# Altium PCB Gateway_V2.0_Final_PCB.PcbDoc
Units mm, origin at the board's own origin, x right, y up, seen from the top; angles counter-clockwise.
Board outline 79.5 x 79.5 mm, 2 copper layers (Top Layer, Bottom Layer); 74 components, 102 nets, 326 pads, 94 vias.
Unrouted connection lines stored in the file: 8.
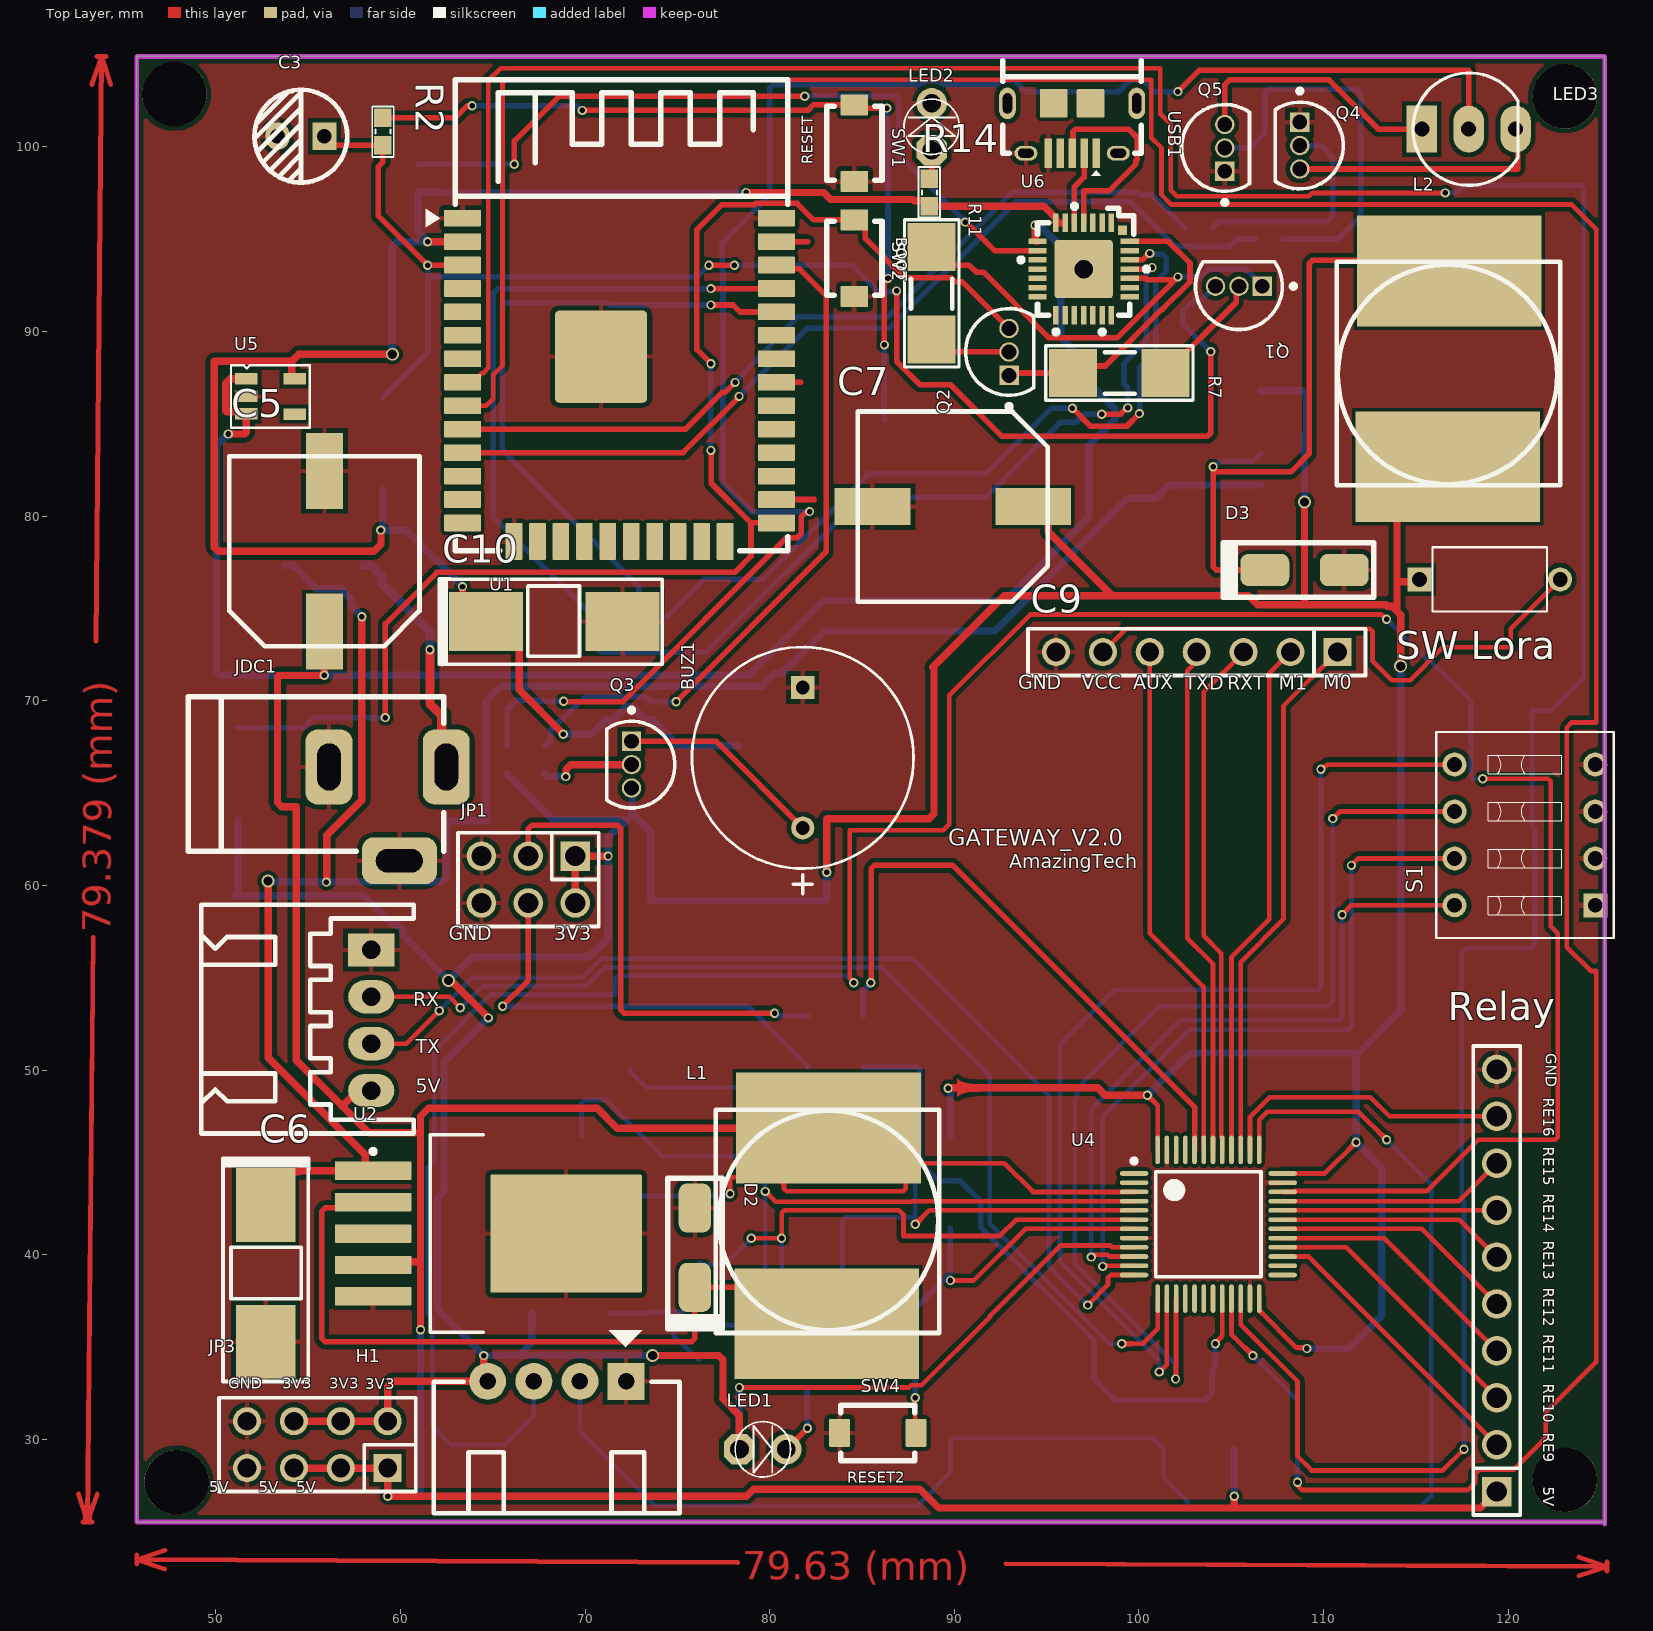
[diagram p0: Top Layer view]
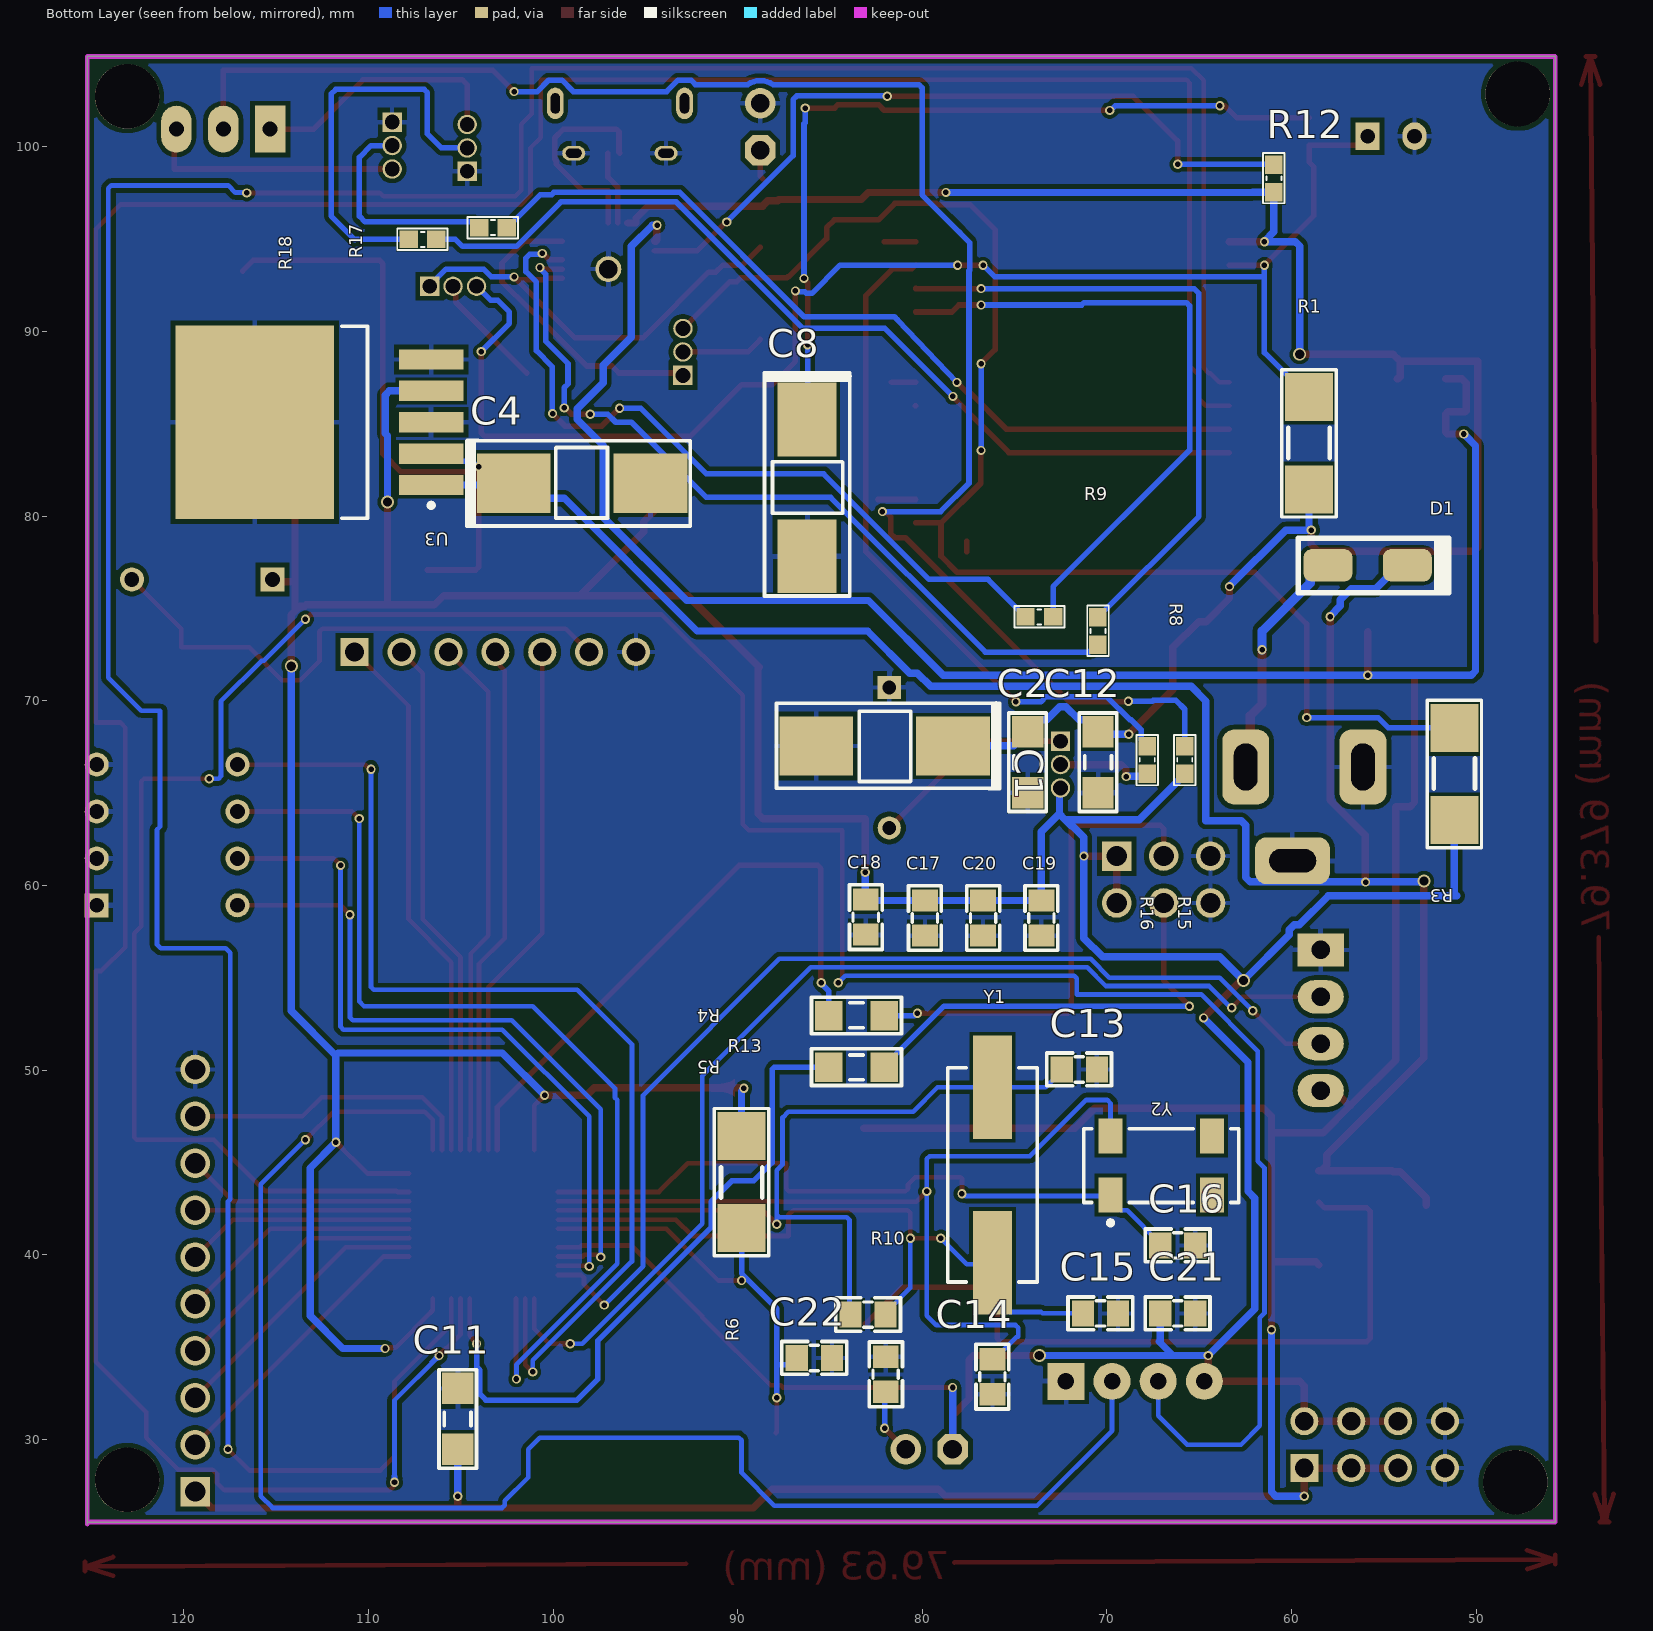
[diagram p1: Bottom Layer view, seen from below]
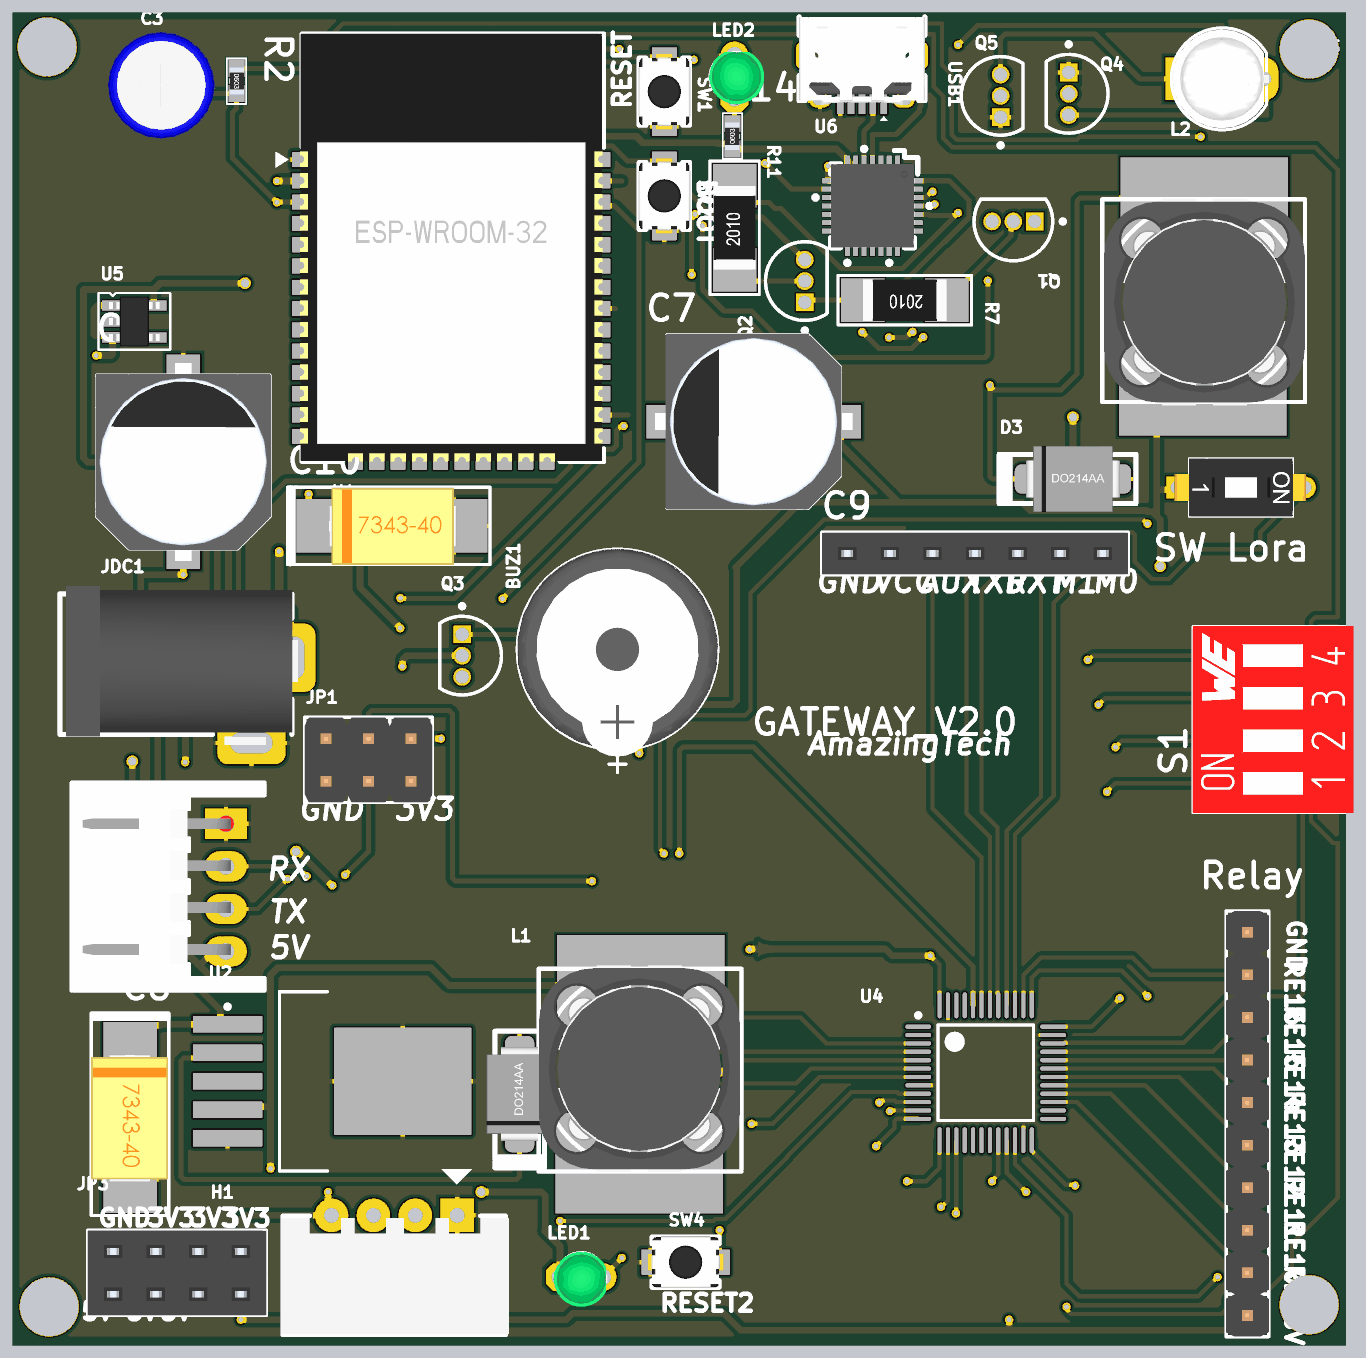
[diagram p2: 3D render of the assembled board from above, using the file's embedded part models]
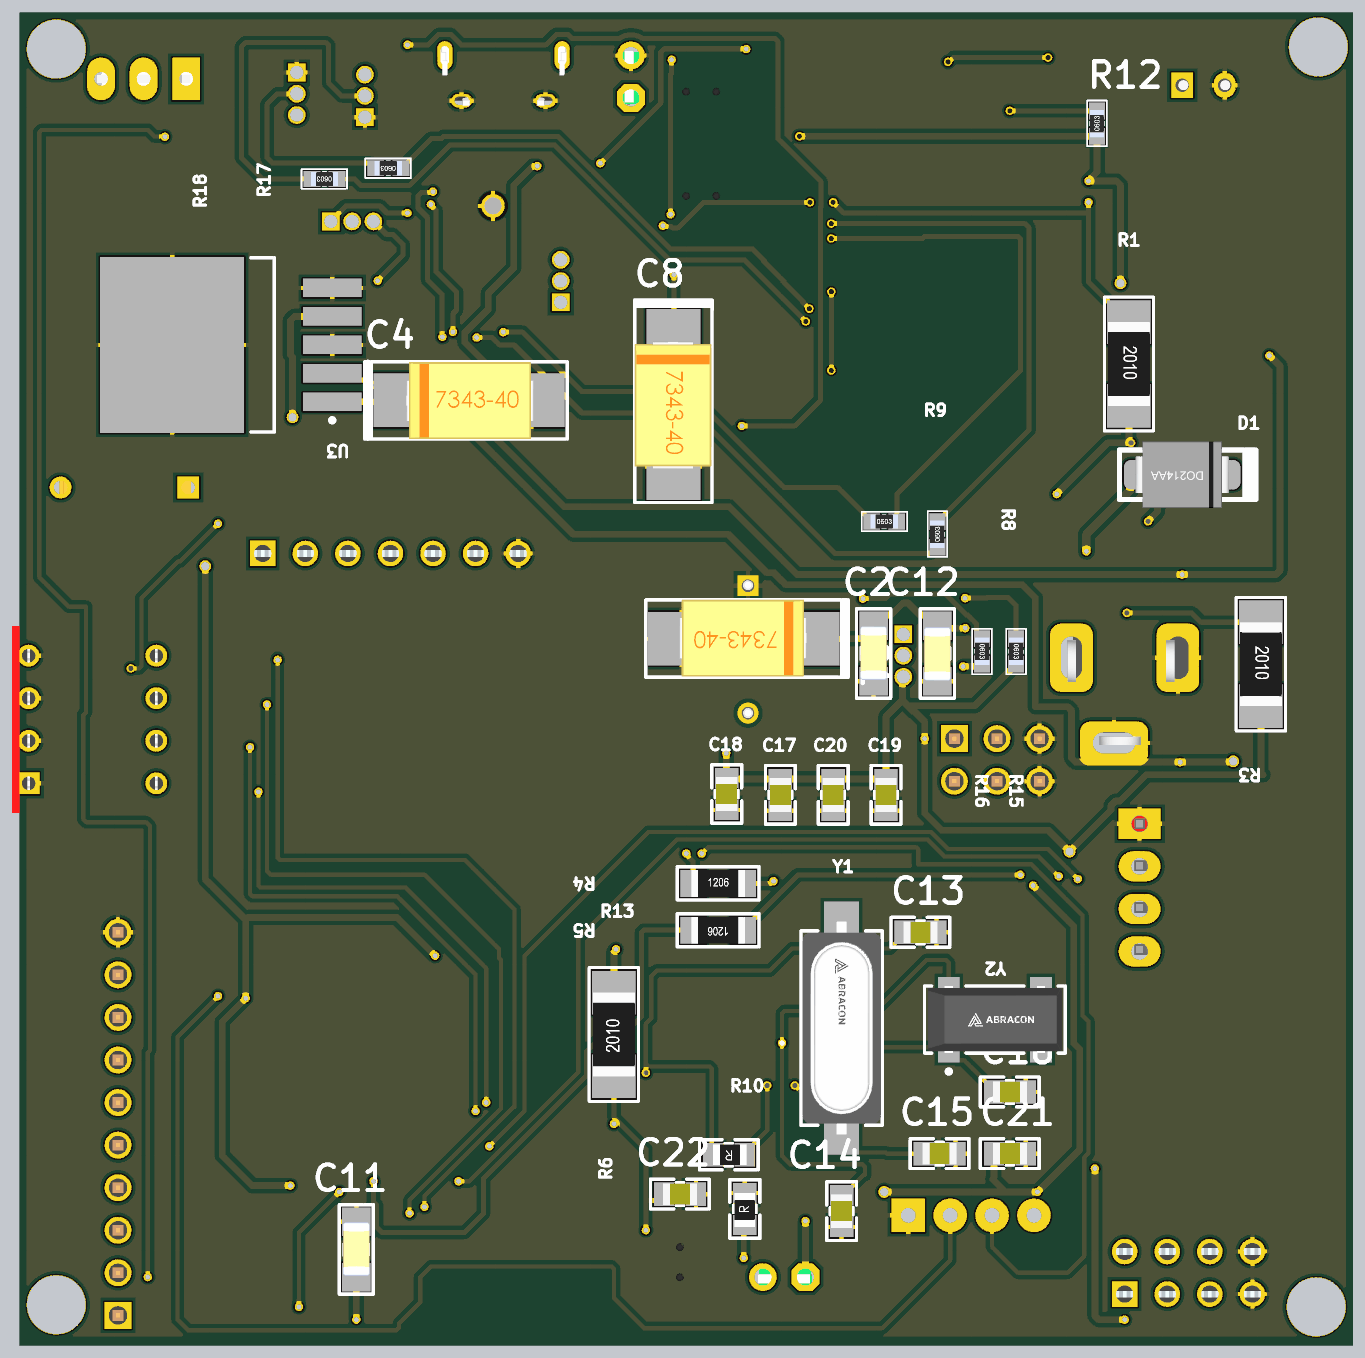
[diagram p3: 3D render of the assembled board from below, using the file's embedded part models]

## Layer stack, top to bottom
Top Solder: solder mask 0.0102, Solder Resist, Dk 3.5
Top Layer: signal copper 0.0356
Dielectric 1: dielectric 0.32, FR-4, Dk 4.8
Bottom Layer: signal copper 0.0356
Bottom Solder: solder mask 0.0102, Solder Resist, Dk 3.5

## Board outline
45.72,25.527 45.72,104.902 125.222,104.902 125.222,25.4 125.222,25.527

## Design rules (kind name [scope] priority, off if disabled: settings)
Clearance Clearance_1 [All] p1: gap=0.254 ignorepadtopadclearanceinfootprint=TRUE except(0.2: Arc-Arc Arc-Track Arc-SMDPad Arc-Hole Track-Track Track-SMDPad SMDPad-SMDPad SMDPad-THPad SMDPad-Via SMDPad-Fill SMDPad-Poly SMDPad-Region SMDPad-Text SMDPad-Hole Via-Via Via-Fill Via-Poly Via-Region Via-Text Via-Hole Region-Region Region-Text Region-Hole)
Clearance [All] p2: gap=0.254 ignorepadtopadclearanceinfootprint=FALSE except(0.2: Arc-Arc Arc-Track Arc-SMDPad Track-Track Track-SMDPad SMDPad-SMDPad SMDPad-THPad SMDPad-Via SMDPad-Fill SMDPad-Poly SMDPad-Region SMDPad-Text SMDPad-Hole)
PolygonConnect [All] p1: connectstyle=Relief reliefconductorwidth=0.254 reliefentries=4 polygonreliefangle="90 Angle" airgapwidth=0.254
RoutingVias [All] p1: holewidth=0.711 width=1.27 viastyle="Through Hole" minholewidth=0.711 minwidth=1.27 maxholewidth=0.711 maxwidth=1.27
SolderMaskExpansion [All] p1: expansion=0.102 istentingtop=FALSE
Width STM [InNetClass('STM')] p1: maxlimit=0.254 minlimit=0.254 preferedwidth=0.254
Width POWER [InNetClass('POWER')] p2: maxlimit=0.4 minlimit=0.254 preferedwidth=0.4 minimp=50.000000 maximp=50.000000 favimp=50.000000
Width SIGNAL [InNetClass('SIGNAL')] p3: maxlimit=0.4 minlimit=0.3 preferedwidth=0.3 minimp=50.000000 maximp=50.000000 favimp=50.000000
30 further rules are at their usual default settings.

## Components (designator, comment, footprint, x,y, rotation, side; value= is the part's Value field where it differs from the comment)
BUZ1 "Buzzer 12095" FP-MCKPX-G1203A-K4056-MFG 81.788,66.919 r270 top
C1 "22uF" "tu tantalum smd7343" 82.042,67.564 r0 bottom
C2 "0.1uF" "tu 1206" 74.295,66.675 r90 bottom
C3 "4.7uF" "tu hoa 5mm" 54.61,100.584 r180 top
C4 "100uF" "tu tantalum smd7343" 98.425,81.788 r180 bottom
C5 "1000uF" "tu nhom 10 (G)" 55.88,78.105 r90 top
C6 "100uF" "tu tantalum smd7343" 52.705,38.989 r270 top
C7 "1000uF" "tu nhom 10 (G)" 89.916,80.518 r180 top
C8 "10uF" "tu tantalum smd7343" 86.233,81.534 r270 bottom
C9 "JP7" JP7-C1T 110.744,72.644 r180 top
C10 "10uF" "tu tantalum smd7343" 68.326,74.295 r0 top
C11 "0.1uF" "tu 1206" 105.156,31.115 r90 bottom
C12 "0.1uF" "tu 1206" 70.485,66.675 r270 bottom
C13 "20pF" "tu 0805" 71.501,50.038 r180 bottom
C14 "20pF" "tu 0805" 76.2,33.401 r270 bottom
C15 "20pF" "tu 0805" 70.358,36.83 r180 bottom
C16 "20pF" "tu 0805" 66.167,40.513 r180 bottom
C17 "100nF" "tu 0805" 79.854,58.243 r270 bottom
C18 "100nF" "tu 0805" 83.058,58.293 r270 bottom
C19 "100nF" "tu 0805" 73.55,58.243 r270 bottom
C20 "100nF" "tu 0805" 76.702,58.243 r270 bottom
C21 "20pF" "tu 0805" 66.167,36.83 r180 bottom
C22 "20pF" "tu 0805" 85.852,34.417 r180 bottom
D1 "SS34" SS14 55.88,77.343 r180 bottom
D2 "SS34" SS14 75.946,40.386 r270 top
D3 "SS34" SS14 108.966,77.089 r180 top
H1 "SWD" "Header 4P DC 2.54" 72.198,33.122 r270 top
JDC1 "Jac DC 12V" DC-IN 59.309,63.881 r0 top value="Jac DC"
JP1 "JP 2x3 2.54" "JP 2x3 DT" 66.929,60.325 r180 top
JP3 "JP 2x4 2.54" "JP 2x4 CT" 55.499,29.718 r180 top
L1 "100uH - 3A SMD" "Cuon Cam 12x12x10" 89.185,47.863 r180 top
L2 "100uH - 3A SMD" "Cuon Cam 12x12x10" 110.713,81.677 r0 top
LED1 "LED 3mm" LED-3MM-GREEN 78.359,29.464 r0 top
LED2 "LED 3mm" LED-3MM-GREEN 88.773,99.822 r90 top
LED3 "LED 5mm" "LED-5MM 2 MAU" 115.316,100.965 r0 top
Q1 "2N3904" ONSC-TO-92-3-29-11 105.41,92.456 r180 top
Q2 "2N3904" ONSC-TO-92-3-29-11 92.964,88.9 r90 top
Q3 "2N3904" ONSC-TO-92-3-29-11 72.517,66.548 r270 top
Q4 "2N3904" ONSC-TO-92-3-29-11 108.712,100.076 r270 top
Q5 "2N3904" ONSC-TO-92-3-29-11 104.648,99.949 r90 top
R1 "10k" "tro smd 2010" 59.055,83.947 r270 bottom
R2 "0R" "tro smd 0603" 59.055,100.838 r270 top
R3 "10k" "tro smd 2010" 51.181,66.04 r270 bottom
R4 "100k" "tro smd 1206" 83.566,52.959 r180 bottom
R5 "100k" "tro smd 1206" 83.566,50.165 r0 bottom
R6 "1M" "tro smd 0805" 82.931,36.703 r0 bottom
R7 "10k" "tro smd 2010" 98.933,87.757 r180 top
R8 "1k" "tro smd 0603" 73.66,74.549 r180 bottom
R9 "1k" "tro smd 0603" 70.485,73.787 r90 bottom
R10 "1M" "tro smd 0805" 82.042,33.528 r90 bottom
R11 "10k" "tro smd 2010" 88.773,92.075 r90 top
R12 "4.7k" "tro smd 0603" 60.96,98.298 r90 bottom
R13 "10k" "tro smd 2010" 89.789,43.942 r90 bottom
R14 "1k" "tro smd 0603" 88.646,97.536 r90 top
R15 "220R" "tro smd 0603" 65.786,66.802 r270 bottom
R16 "220R" "tro smd 0603" 67.818,66.802 r270 bottom
R17 "220R" "tro smd 0603" 103.251,95.631 r0 bottom
R18 "220R" "tro smd 0603" 107.061,94.996 r0 bottom
Relay "JP 1x10 2.54" "JP 1x10 DT" 119.38,27.178 r90 top (schematic designator JP2)
S1 "" SW-DIP4 120.904,62.738 r90 top
SW1 "RST" "Button 3x4mm" 84.582,100.203 r90 top
SW2 "FLASH" "Button 3x4mm" 84.582,93.98 r270 top
SW4 "FLASH" "Button 3x4mm" 85.852,30.353 r0 top
"SW Lora" "SW" SW-DIP1 118.999,76.581 r270 top value="SW chip 2 pin" (schematic designator SW3)
U1 "ESP-WROOM-32" "ESP32 WROOM" 63.366,96.146 r0 top
U2 "LM2576S-5.0" KTT0005B_N 64.77,41.148 r0 top
U3 "LM2576S-3.3" TS5B_M 112.649,85.09 r0 bottom
U4 "STM32F103C8T6" STM-LQFP48_L 103.759,41.656 r0 top
U5 "RT9193-33GB" SOT23-5 52.959,86.487 r270 top
U6 "CP2102-QFN28" CP2102-QFN28 97.004,93.385 r180 top
USB1 "USB_Micro" "USB_MICRO_B - Digikey" 97.677,99.662 r180 top
XH1 "XH4" XH4/2.54mm/90 58.42,56.515 r270 top
Y1 "ABLS2-8.000MHZ-D4Y-T" FP-ABLS2-MFG 76.2,44.323 r270 bottom
Y2 "ABS25-32.768KHZ-T" FP-ABS25-MFG 67.056,44.831 r180 bottom

## Footprints (in the part's own frame and the unit in brackets; to place one, negate y for a bottom-side part, rotate by r counter-clockwise, add the part's x,y. Pads: shape width x height; smd on the part's side, far side on the other; paste and mask are expansions set on the pad)
"Button 3x4mm" [mm] "SMD 3x4mm"
  rrect10% 1.143x1.5 smd: 1(-2.075,0) 2(2.075,0)
  silkscreen extent -2,-1.5 2,1.5, body extent -2.25,-1.55 2.25,1.55, height 2.05
CP2102-QFN28 [mm] "QFN28 5x5 pitch 0.5"
  rrect10% 0.3x1 smd mask+0.05: 1(-1.5,-2.5) 2(-1,-2.5) 3(-0.5,-2.5) 4(0,-2.5) 5(0.5,-2.5) 6(1,-2.5) 7(1.5,-2.5) 15(1.5,2.5) 16(1,2.5) 17(0.5,2.5) 18(0,2.5) 19(-0.5,2.5) 20(-1,2.5) 21(-1.5,2.5)
  rrect10% 1x0.3 smd mask+0.05: 8(2.5,-1.5) 9(2.5,-1) 10(2.5,-0.5) 11(2.5,0) 12(2.5,0.5) 13(2.5,1) 14(2.5,1.5) 22(-2.5,1.5) 23(-2.5,1) 24(-2.5,0.5) 25(-2.5,0) 26(-2.5,-0.5) 27(-2.5,-1) 28(-2.5,-1.5)
  rrect10% 3.15x3.15 smd mask+0.05: 29(0,0)
  round 1.4 hole 1 mask+0.2: 29(0,0)
  rrect10% 0.5x0.5 smd mask+0.05: ""(-2.1,-2.1)
  silkscreen extent -3.5,-3.5 3.5,3.5, body extent -2.5,-2.5 2.5,2.5, height 1
"Cuon Cam 12x12x10" [mm] "Cuon Cam 12x12x10"
  rect 10x6 smd: 1(6.1,11.6) 2(6,1)
  silkscreen extent 0,0 12.1,12.1, body extent 0.1,-0.2 12.1,12.14, height 7.51
DC-IN [mil] "Jac DC input"
  rrect50% 100x160 hole 50 slot 100 at 90 deg: 1(125,100) 2(-125,100)
  rrect50% 160x100 hole 50 slot 100 at 0 deg: 3(25,-100)
  silkscreen extent -425,-80 120,250, body extent -410,-105 134,269, height 434
"ESP32 WROOM" [mm] "ESP32 WROOM"
  rrect10% 2x0.9 smd: 1(0,0) 2(0,-1.27) 3(0,-2.54) 4(0,-3.81) 5(0,-5.08) 6(0,-6.35) 7(0,-7.62) 8(0,-8.89) 9(0,-10.16) 10(0,-11.43) 11(0,-12.7) 12(0,-13.97) 13(0,-15.24) 14(0,-16.51) 25(17,-16.51) 26(17,-15.24) 27(17,-13.97) 28(17,-12.7) 29(17,-11.43) 30(17,-10.16) 31(17,-8.89) 32(17,-7.62) 33(17,-6.35) 34(17,-5.08) 35(17,-3.81) 36(17,-2.54) 37(17,-1.27) 38(17,0)
  rrect10% 0.9x2 smd: 15(2.785,-17.51) 16(4.055,-17.51) 17(5.325,-17.51) 18(6.595,-17.51) 19(7.865,-17.51) 20(9.135,-17.51) 21(10.405,-17.51) 22(11.675,-17.51) 23(12.945,-17.51) 24(14.215,-17.51)
  rrect10% 5x5 smd: 39(7.5,-7.5)
  silkscreen extent -2,-18.02 17.6,7.49, body extent -0.54,-18.02 17.54,7.52, height 3
FP-ABLS2-MFG [mm]
  rect 5.6x2.1 smd paste+0 mask+0: 1(-4.75,0) 2(4.75,0)
  silkscreen extent -5.8,-2.42 5.8,2.42, body extent -6.35,-2.35 6.35,2.35, height 3.3
FP-ABS25-MFG [mm]
  rect 1.3x1.9 smd paste+0 mask+0: 1(-2.75,-1.6) 2(2.75,-1.6) 3(2.75,1.6) 4(-2.75,1.6)
  silkscreen extent -4.2,-3.22 4.2,2, body extent -4,-2 4,2, height 2.76
FP-MCKPX-G1203A-K4056-MFG [mm]
  rect 1.25x1.25 hole 0.75 paste-2539.97 mask+0: 1(-3.8,0)
  round 1.25 hole 0.75 paste-2539.97 mask+0: 2(3.8,0)
  silkscreen extent -6,-6 7.35,6, body extent -6.1,-6.1 6.1,6.1, height 0.25
"Header 4P DC 2.54" [mil]
  rect 78.74x78.74 hole 35: 1(-1,1)
  round 78.74 hole 35: 2(-1,-97.43) 3(-1,-195.85) 4(-1,-294.28)
  silkscreen extent -110,-409 280,115, body extent 5,-413 278,123, height 290
JP7-C1T [mm] "7 row, straight, gold plating"
  rect 1.52x1.52 hole 1.02: 1(0,0)
  round 1.52 hole 1.02: 2(2.54,0) 3(5.08,0) 4(7.62,0) 5(10.16,0) 6(12.7,0) 7(15.24,0)
  silkscreen extent -1.52,-1.27 16.76,1.27, body extent -1.52,-1.25 16.76,1.25, height 8.51
"JP 1x10 DT" [mm] "10 pins, 1 row, straight, gold plating"
  rect 1.6x1.6 hole 1.1: 1(0,0)
  round 1.6 hole 1.1: 2(2.54,0) 3(5.08,0) 4(7.62,0) 5(10.16,0) 6(12.7,0) 7(15.24,0) 8(17.78,0) 9(20.32,0) 10(22.86,0)
  silkscreen extent -1.27,-1.27 24.13,1.27, body extent -1.27,-1.27 24.13,1.27, height 8.54
"JP 2x3 DT" [mm]
  rect 1.6x1.6 hole 1.1: 1(-2.54,-1.27)
  round 1.6 hole 1.1: 2(0,-1.27) 3(2.54,-1.27) 4(2.54,1.27) 5(0,1.27) 6(-2.54,1.27)
  silkscreen extent -3.81,-2.54 3.81,2.54, body extent -3.81,-2.54 3.81,2.54, height 8.55
"JP 2x4 CT" [mm] "8 pins, dual row, straight, gold plating"
  rect 1.52x1.52 hole 1.02: 1(-3.81,1.27)
  round 1.52 hole 1.02: 2(-1.27,1.27) 3(1.27,1.27) 4(3.81,1.27) 5(3.81,-1.27) 6(1.27,-1.27) 7(-1.27,-1.27) 8(-3.81,-1.27)
  silkscreen extent -5.33,-2.54 5.33,2.54, body extent -5.33,-2.54 5.33,2.54, height 8.51
KTT0005B_N [mm] "DPAK, 5-Leads, Body 10.65x9.65mm, Pitch 1.7mm, IPC Medium Density"
  rrect10% 4.15x1 smd: 1(-6.25,3.4) 2(-6.25,1.7) 3(-6.25,0) 4(-6.25,-1.7) 5(-6.25,-3.4)
  rrect2% 8.2x6.4 smd: 6(4.2,0)
  silkscreen extent -6.37,-5.35 -0.3,5.35, body extent -3.15,-5.32 6.5,5.33, height 4.83
LED-3MM-GREEN [mil]
  oct 65x65 hole 40: 1(0,0)
  round 65 hole 40: 2(100,0)
  silkscreen extent -9,-59 109,59, body extent -15,-70 112,60, height 182
"LED-5MM 2 MAU" [mil] "LED 3 PIN, 5 ly , Two colour"
  rect 65x100 hole 32: 1(0,0)
  oval 65x100 hole 32: 2(100,0) 3(200,0)
  silkscreen extent -19,-120 205,120, body extent -16,-116 210,116, height 427
ONSC-TO-92-3-29-11 [mm] "TO, 3-Leads, Body Dia 4.7mm, Pitch 1.27mm"
  rect 1.05x1.05 hole 0.8: 1(-1.27,0)
  round 1.05 hole 0.8: 2(0,0) 3(1.27,0)
  silkscreen extent -3.08,-1.34 2.35,2.35, body extent -2.35,-1.33 2.36,2.36, height 7.87
SOT23-5 [mm] "CASE: SOT"
  rect 0.62x1.22 smd mask+0.076: 1(-0.953,-1.31) 2(-0.003,-1.31) 3(0.947,-1.31) 4(0.952,1.31) 5(-0.953,1.31)
  silkscreen extent -1.69,-2.14 1.69,2.14, body extent -1.5,-1.5 1.5,1.5, height 1.41
SS14 [mm] "Diode SMD"
  rrect50% 2.65x1.75 smd: 1(-2.15,0) 2(2.15,0)
  silkscreen extent -3.75,-1.48 4.4,1.48, body extent -2.79,-1.97 2.79,1.97, height 2.6
STM-LQFP48_L [mm] "QFP, 48-Leads, Body 7x7mm, Pitch 0.5mm, IPC High Density"
  oval 1.55x0.25 smd: 1(-4.025,2.75) 2(-4.025,2.25) 3(-4.025,1.75) 4(-4.025,1.25) 5(-4.025,0.75) 6(-4.025,0.25) 7(-4.025,-0.25) 8(-4.025,-0.75) 9(-4.025,-1.25) 10(-4.025,-1.75) 11(-4.025,-2.25) 12(-4.025,-2.75) 25(4.025,-2.75) 26(4.025,-2.25) 27(4.025,-1.75) 28(4.025,-1.25) 29(4.025,-0.75) 30(4.025,-0.25) 31(4.025,0.25) 32(4.025,0.75) 33(4.025,1.25) 34(4.025,1.75) 35(4.025,2.25) 36(4.025,2.75)
  oval 0.25x1.55 smd: 13(-2.75,-4.025) 14(-2.25,-4.025) 15(-1.75,-4.025) 16(-1.25,-4.025) 17(-0.75,-4.025) 18(-0.25,-4.025) 19(0.25,-4.025) 20(0.75,-4.025) 21(1.25,-4.025) 22(1.75,-4.025) 23(2.25,-4.025) 24(2.75,-4.025) 37(2.75,4.025) 38(2.25,4.025) 39(1.75,4.025) 40(1.25,4.025) 41(0.75,4.025) 42(0.25,4.025) 43(-0.25,4.025) 44(-0.75,4.025) 45(-1.25,4.025) 46(-1.75,4.025) 47(-2.25,4.025) 48(-2.75,4.025)
  silkscreen extent -4.15,-2.85 2.85,3.55, body extent -3.5,-3.5 3.5,3.5, height 1.6
SW-DIP1 [mm]
  rect 1.3x1.3 hole 0.8: 1(0,-3.81)
  round 1.3 hole 0.8: 2(0,3.81)
  silkscreen extent -1.74,-3.1 1.74,3.1, body extent -1.74,-3.98 1.74,3.89, height 3.95
SW-DIP4 [mm] "04p, 2.54mm Pitch, Horizontal, Box Type, THT, flat Actuator, red, without Tape, Tube"
  rect 1.3x1.3 hole 0.8: 1(-3.81,-3.81)
  round 1.3 hole 0.8: 2(-1.27,-3.81) 3(1.27,-3.81) 4(3.81,-3.81) 5(3.81,3.81) 6(1.27,3.81) 7(-1.27,3.81) 8(-3.81,3.81)
  silkscreen extent -5.58,-4.8 5.58,4.8, body extent -5.58,-4.8 5.58,4.8, height 5.4
"tro smd 0603" [mm] "Chip Capacitor, 2-Leads, Body 1,60x0,80mm, IPC Medium Density"
  rect 1x0.95 smd mask+0.076: 1(-0.75,0) 2(0.75,0)
  silkscreen extent -1.35,-0.58 1.37,0.58, body extent -0.82,-0.42 0.82,0.43, height 0.44
"tro smd 0805" [mm]
  rect 1.2x1.4 smd: 1(-0.946,-0.061) 2(0.954,-0.061)
  silkscreen extent -1.75,-0.97 1.75,0.84, body extent -1.56,-0.76 1.44,0.64, height 0.53
"tro smd 1206" [mm]
  rect 1.5x1.6 smd: 1(-1.5,0) 2(1.5,0)
  silkscreen extent -2.44,-0.99 2.44,0.99, body extent -1.6,-0.8 1.6,0.8, height 0.6
"tro smd 2010" [mm]
  rect 2.6x2.6 smd: 1(-2.5,0) 2(2.5,0)